# Altium PCB Powerbank.PcbDoc (part 1 of 2) (continued)
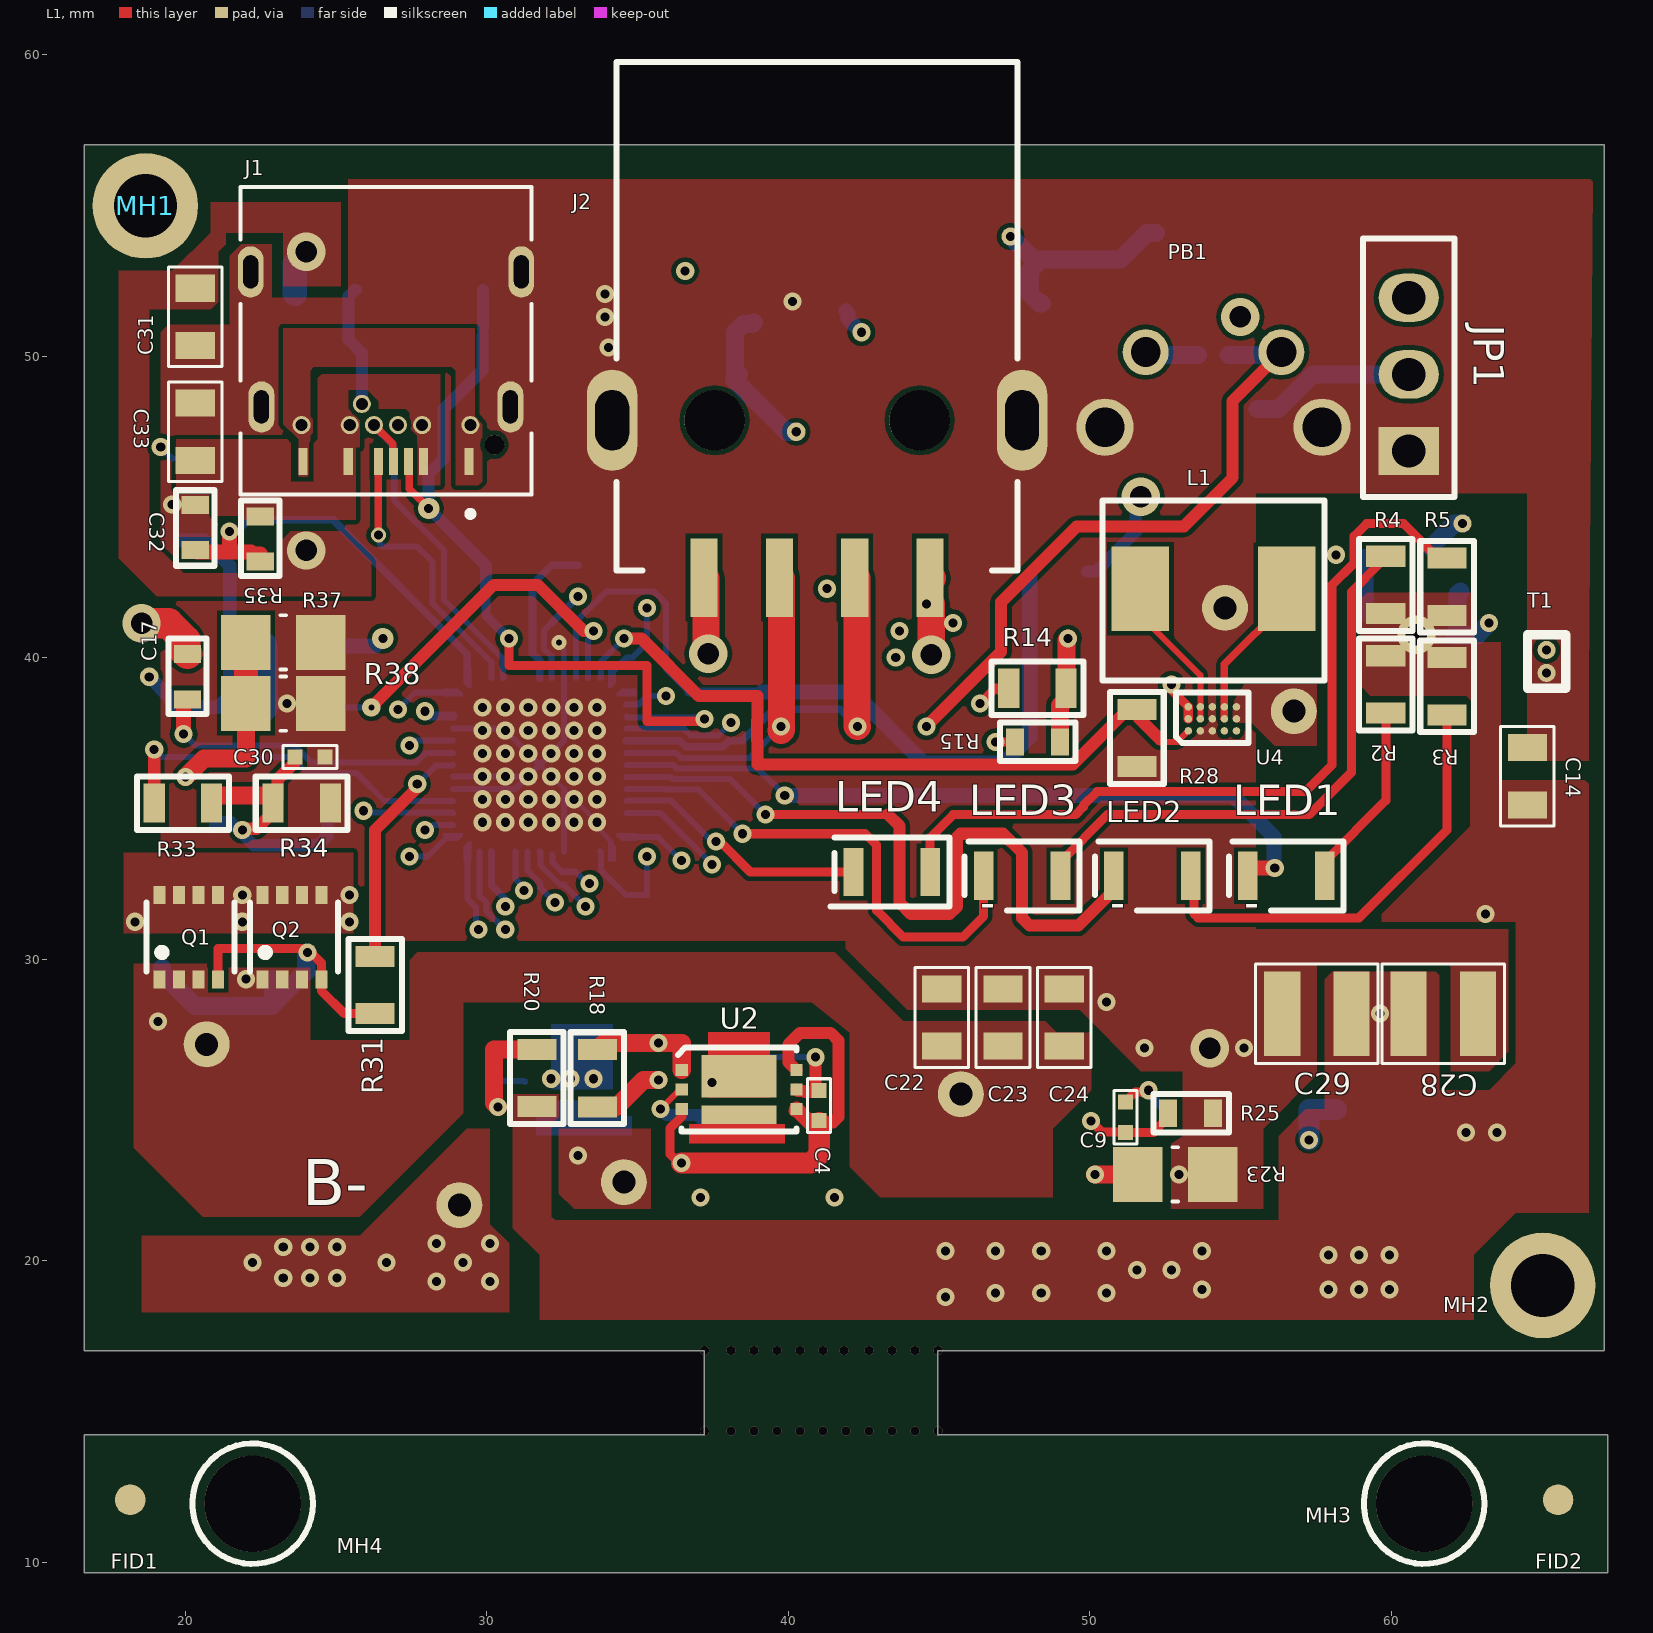
[diagram p0: L1 view]
## Design rules (kind name [scope] priority, off if disabled: settings)
Clearance [All] p1: gap=0.15 ignorepadtopadclearanceinfootprint=FALSE except(0: Arc-Hole Track-Hole SMDPad-Text SMDPad-Hole THPad-Text THPad-Hole Via-Text Via-Hole Fill-Text Fill-Hole Poly-Text Poly-Hole Region-Text Region-Hole Text-Text Text-Hole; 0.08: Arc-THPad Track-THPad SMDPad-SMDPad THPad-THPad; 0.1: Arc-SMDPad Track-SMDPad)
Height [All] p1: minheight=0 maxheight=60 prefheight=12.7
HoleSize [All] p1: absolutevalues=TRUE maxlimit=5 minlimit=0.025 maxpercent=80.000 minpercent=20.000
MinimumSolderMaskSliver [All] p1: minsoldermaskwidth=0.05
PlaneConnect [All] p1: planeconnectstyle=Direct reliefexpansion=0.508 reliefentries=4 reliefconductorwidth=0.254 reliefairgap=0.254
PolygonConnect [All] p1: connectstyle=Direct reliefconductorwidth=0.254 reliefentries=4 polygonreliefangle="90 Angle" airgapwidth=0.254
RoutingVias [All] p1: holewidth=0.711 width=1.27 viastyle="Through Hole" minholewidth=0.711 minwidth=1.27 maxholewidth=0.711 maxwidth=1.27
SilkToSilkClearance [All] p1: silktosilkclearance=0.08
SilkToSolderMaskClearance [IsPad] p1: minsilkscreentomaskgap=0.02 clearancetoexposedcopper=TRUE
SolderMaskExpansion [All] p1: expansion=0.05
Width [All] p1: maxlimit=10 minlimit=0.15 preferedwidth=0.254 midlayer1_minwidth=0.254 midlayer1_maxwidth=5 midlayer2_minwidth=0.254 midlayer2_maxwidth=5 minimp=50.000000 maximp=50.000000 favimp=50.000000
24 further rules are at their usual default settings.

## Components (designator, comment, footprint, x,y, rotation, side; value= is the part's Value field where it differs from the comment)
B+ "SMD PAD" "SMD PAD" 61.849,22.098 r0 top
B- "SMD PAD" "SMD PAD" 26.543,24.892 r0 top
C1 "1uF" R0603 33.02,43.815 r270 bottom
C2 "1000pF" C0402 54.094,50.038 r180 bottom
C3 "1uF" R0603 62.103,39.993 r90 bottom
C4 "100nF" C0402 41.021,25.146 r90 top
C5 "390pF" R0603 26.162,50.546 r180 bottom
C6 "390pF" R0603 30.607,50.673 r180 bottom
C7 "1uF" R0603 56.134,25.019 r0 bottom
C8 "100nF" C0402 30.361,26.487 r270 bottom
C9 "100nF" C0402 51.189,24.757 r90 top
C10 "100nF" C0402 34.925,52.959 r0 bottom
C11 "22uF 16V 0805" "CAP 0805" 54.102,53.848 r270 bottom
C12 "22uF 16V 0805" "CAP 0805" 56.007,53.721 r270 bottom
C13 "22uF 16V 0805 x3" "CAP 0805" 57.912,53.787 r270 bottom
C14 "10u" "CAP 0805" 64.516,36.068 r270 top
C15 "1000pF" C0402 38.862,49.403 r180 bottom
C16 "22000pF" C0402 38.87,54.864 r180 bottom
C17 "1uF" R0603 20.066,39.37 r90 top
C18 "1uF" R0603 43.18,28.194 r270 bottom
C19 "22uF 16V 0805" "CAP 0805" 49.149,28.067 r270 bottom
C20 "22uF 16V 0805" "CAP 0805" 47.117,28.067 r270 bottom
C21 "22uF 16V 0805" "CAP 0805" 45.085,28.067 r270 bottom
C22 "22uF 16V 0805" "CAP 0805" 45.085,28.067 r270 top
C23 "22uF 16V 0805" "CAP 0805" 47.117,28.067 r270 top
C24 "22uF 16V 0805" "CAP 0805" 49.149,28.067 r270 top
C25 "1pF 16V" C0402 22.898,29.845 r90 bottom
C26 "100nF" "CAP 0805" 45.024,49.784 r180 bottom
C27 "22uF 16V 0805" "CAP 0805" 46.101,54.991 r90 bottom
C28 "47uFx2" C1210 61.722,28.194 r180 top
C29 "47uF 16V" C1210 57.531,28.194 r0 top
C30 "1pF 16V" C0402 24.13,36.703 r180 top
C31 "22uF" "CAP 0805" 20.32,51.308 r90 top
C32 "1uF" R0603 20.32,44.323 r270 top
C33 "100nF" "CAP 0805" 20.32,47.498 r270 top
D1 "common cathode Schottkey" "3PINS SCHOTTKEY" 61.341,42.926 r180 bottom
D2 "zener SOD532 5.1V 10mA" "ZENER SOD532" 26.314,52.197 r0 bottom
D3 "zener SOD532 5.1V 10mA" "ZENER SOD532" 29.21,52.197 r180 bottom
D4 "BAT54HT1G" "DIODE SFMNTD" 59.055,40.259 r270 bottom
FID1 "FID 1mm" FID 18.161,12.065 r0 top
FID2 "FID 1mm" FID 65.532,12.065 r90 top locked
FID3 "FID 1mm" FID 18.161,12.065 r90 bottom
FID4 "FID 1mm" FID 65.532,12.065 r90 bottom
J1 "10137061-00021LF" PCBCOMPONENT_1 26.648,49.657 r180 top
J2 "USB A SMD" 692122030100 40.952,51.329 r180 top
JP1 "Prog.Port" "HDR MALE 1X3" 60.579,46.863 r180 top
L1 "470nH 12A" "INDUCTOR 470NH" 54.102,42.291 r0 top
L2 "Ferrite bead 30Ohm" R0805 44.069,52.451 r90 bottom
L3 "4.6uH Power inductor" "INDUCTOR MOUSER" 56.886,32.131 r0 bottom
L4 "Ferrite bead 30Ohm" R0805 23.622,51.054 r90 bottom
LED1 "RED SMD" "ORNG LED SMD 1206" 56.515,32.766 r0 top
LED2 "RED SMD" "ORNG LED SMD 1206" 52.07,32.766 r0 top
LED3 "RED SMD" "ORNG LED SMD 1206" 47.752,32.766 r0 top
LED4 "GRN SMD" "GRN SMD LED" 43.434,32.893 r0 top
MH1 "Mount holes" MH 18.669,54.991 r180 top
MH2 "Mount holes" MH 65.024,19.177 r0 top
MH3 "MH. not plated" "MH. not plated" 61.087,11.938 r0 top
MH4 "MH. not plated" "MH. not plated" 22.225,11.938 r0 top
PB1 "FSMRA4JH04" "PB RIGHT ANGLE THROUGH HOLE" 54.102,48.895 r180 top
Q1 "P channel mosfet" ECH8310-TL-H 20.104,30.734 r0 top
Q2 "P channel mosfet" ECH8310-TL-H 23.533,30.734 r0 top
Q3 "P channel mosfet" ECH8310-TL-H 49.53,53.086 r180 bottom
Q4 "N channel mosfet" "POWER MOSFET ON SEMI" 20.009,33.02 r180 bottom
Q5 "N channel mosfet" "POWER MOSFET ON SEMI" 23.745,33.02 r180 bottom
Q6 "P channel mosfet" ECH8310-TL-H 21.209,42.926 r90 bottom
R1 "100K" R0805 54.61,48.26 r180 bottom
R2 "330" R0805 59.817,39.116 r90 top
R3 "330" R0805 61.849,39.055 r90 top
R4 "330" R0805 59.817,42.418 r270 top
R5 "330" R0805 61.849,42.357 r270 top
R6 "100K" R0805 47.879,43.815 r90 bottom
R7 "51k" R0805 49.911,43.815 r90 bottom
R8 "51k" R0805 23.495,38.354 r0 bottom
R9 "51k" R0805 23.495,40.386 r0 bottom
R10 "100Ohm" R0603 20.171,47.244 r270 bottom
R11 "1k ohm" R0805 37.084,25.781 r90 bottom
R12 "20mOhm" R1206 20.171,51.054 r90 bottom
R13 "680Ohm" R0805 39.306,25.654 r270 bottom
R14 "10k ohm" R0805 48.26,38.989 r0 top
R15 "100Ohm" R0603 48.26,37.211 r0 top
R16 "100Ohm" R0603 58.928,25.019 r0 bottom
R17 "100Ohm" R0603 40.005,44.577 r0 bottom
R18 "1k ohm" R0805 33.663,26.053 r90 top
R19 "20mOhm" R1206 35.941,44.577 r180 bottom
R20 "680Ohm" R0805 31.655,26.061 r270 top
R21 "100Ohm" R0603 53.352,24.765 r0 bottom
R22 "10mOhm" R1206 52.832,22.86 r180 bottom
R23 "10mOhm" R1206 52.832,22.86 r180 top
R24 "910k 1%" R0805 41.91,50.546 r270 bottom
R25 "100Ohm" R0603 53.34,24.892 r0 top
R26 "180k 1%" R0805 35.179,50.927 r0 bottom
R27 "2.2k" R0805 38.862,52.07 r90 bottom
R28 "51k" R0805 51.562,37.338 r90 top
R29 "150k" R0805 58.166,43.307 r180 bottom
R30 "100K" R0805 20.17,29.845 r180 bottom
R31 "0 R" R0805 26.289,29.144 r270 top
R32 "510k" R0805 52.07,53.213 r270 bottom
R33 "0 R" R0805 19.911,35.179 r0 top
R34 "100K" R0805 23.853,35.179 r180 top
R35 "100Ohm" R0603 22.479,43.942 r90 top
R36 "510k" R0805 20.066,39.309 r90 bottom
R37 "10mOhm" R1206 23.241,40.513 r180 top
R38 "10mOhm" R1206 23.241,38.481 r180 top
T1 "10K NTC thermistor" THERMISTOR 65.151,39.878 r90 top
U1 "LC709511FQD-A00TWG" QUAD52 31.75,36.449 r270 bottom
U2 "LC05111C02MTTTG" LC05111C02MTTTGOSCT 38.362,25.677 r270 top
U3 "LC05111C02MTTTG" LC05111C02MTTTGOSCT 33.155,25.936 r270 bottom
U4 "2nd boost ic" BGA3X5 54.064,37.973 r90 top

## Footprints (in the part's own frame and the unit in brackets; to place one, negate y for a bottom-side part, rotate by r counter-clockwise, add the part's x,y. Pads: shape width x height; smd on the part's side, far side on the other; paste and mask are expansions set on the pad)
"3PINS SCHOTTKEY" [mm]
  rect 0.8x0.9 smd: 1(-0.95,-0.725) 2(0.95,-0.725) 3(0,0.725)
  silkscreen extent -1.4,-0.64 1.4,0.76, body extent -1.46,-1.18 1.46,1.19, height 1.11
692122030100 [mm]
  rect 0.9x2.6 smd: 1(-3.75,8.67) 2(-1.25,8.67) 3(1.25,8.67) 4(3.75,8.67)
  oval 1.68x3.36 hole 1.12 slot 2 at 90 deg: S1(6.8,3.45) S2(-6.8,3.45)
  round 2 hole 2 unplated: ""(-3.4,3.45) ""(3.4,3.45)
  silkscreen extent -6.65,-8.43 6.65,8.43, body extent -7.68,-8.21 7.42,9.59, height 7.96
BGA3X5 [mm]
  round 0.25 smd mask+0.015: AGND(-0.4,0) EN(-0.4,0.8) GND(0,0) GND(0.4,0) LX1(0,0.4) LX1(0.4,0.4) LX2(0,-0.4) LX2(0.4,-0.4) SCL(-0.4,-0.4) SDA(-0.4,-0.8) VIN(0,0.8) VIN(0.4,0.8) VOUT(0,-0.8) VOUT(0.4,-0.8) VSEL(-0.4,0.4)
  silkscreen extent -0.8,-1.2 0.87,1.2, body extent -0.67,-1.13 0.67,1.13, height 0.54
C0402 [mm]
  rect 0.5x0.5 smd: 1(-0.5,0) 2(0.5,0)
  silkscreen extent -0.89,-0.38 0.89,0.38, body extent -0.5,-0.25 0.5,0.25, height 0.47
C1210 [mm]
  rect 1.2x2.8 smd: 1(-1.15,0) 2(1.15,0)
  silkscreen extent -2.03,-1.65 2.03,1.65, body extent -1.6,-1.25 1.6,1.25, height 0.94
"CAP 0805" [mm]
  rect 0.9x1.3 smd: 1(-0.95,0) 2(0.95,0)
  silkscreen extent -1.65,-0.89 1.65,0.89, body extent -1,-0.6 1,0.6, height 1.53
"DIODE SFMNTD" [mil]
  rect 22x27 smd: 1(-48,0) 2(48,0)
  silkscreen extent -75,-28 75,28, body extent -51,-27 51,27, height 43
ECH8310-TL-H [mm]
  rect 0.4x0.6 smd: D(-0.975,1.4) D(-0.325,1.4) D(0.325,1.4) D(0.975,1.4) G(0.975,-1.4) S(-0.975,-1.4) S(-0.325,-1.4) S(0.325,-1.4)
  silkscreen extent -1.4,-1.14 1.52,1.14, body extent -1.45,-1.4 1.45,1.4, height 0.95
FID [mil]
  round 40 smd paste-1574.8 mask+40: 1(0,0)
"GRN SMD LED" [mm]
  rect 0.65x1.6 smd: 1(-1.275,0) 2(1.275,0)
  silkscreen extent -2.03,-1.14 1.91,1.14, body extent -1.6,-0.8 1.6,0.8, height 1.1
"HDR MALE 1X3" [mm]
  rect 2x1.6 hole 1.1: 1(0,0)
  oval 2x1.6 hole 1.1: 2(0,-2.54) 3(0,-5.08)
  silkscreen extent -1.52,-7.04 1.52,1.52, body extent -1.21,-6.15 1.2,1.07, height 8.1
"INDUCTOR 470NH" [mm]
  rect 1.905x2.79 smd: 1(-2.425,0) 2(2.426,0)
  silkscreen extent -3.68,-3.05 3.68,2.92, body extent -3.25,-3 3.25,3, height 3
"INDUCTOR MOUSER" [mm]
  rect 2.2x5.2 smd: 1(-3.8,0) 2(3.8,0)
  silkscreen extent -6,-6 6,6, body extent -6,-6 6,6, height 7.42
LC05111C02MTTTGOSCT [mm]
  rect 0.4x0.4 smd: 1(-0.65,-1.9) 2(0,-1.9) 3(0.65,-1.9) 4(0.65,1.9) 5(0,1.9) 6(-0.65,1.9)
  rect 1.415x2.5 smd: 7(-0.437,0)
  rect 0.615x2.5 smd mask+0.09: 8(0.837,0)
  L1 region: 0.127,1.016 -1.905,1.016 -1.905,-1.016 0.254,-1.016 0.254,1.016
  L1 region: 0.635,1.143 1.143,1.143 1.143,1.524 1.778,1.524 1.778,-1.651 1.143,-1.651 1.143,-1.143 0.635,-1.143
  silkscreen extent -1.4,-2.03 1.4,1.91, body extent -1.3,-1.9 1.3,1.9, height 0.9
MH [mm]
  round 3.5 hole 2.1: 1(0,0)
  body extent -1.69,-1.65 1.65,1.65, height 3.04
"MH. not plated" [mm]
  round 3.2 hole 3.2 unplated: 1(0,0)
  silkscreen extent -2,-2 2,2
"ORNG LED SMD 1206" [mm]
  rect 0.65x1.6 smd: 1(-1.275,0) 2(1.275,0)
  silkscreen extent -1.91,-1.14 1.91,1.14, body extent -1.6,-0.8 1.6,0.8, height 1.1
"PB RIGHT ANGLE THROUGH HOLE" [mm]
  round 1.524 hole 0.99: 1(-2.25,-1.245) 2(2.25,-1.245)
  round 1.9 hole 1.3: 3(3.6,1.245) 4(-3.6,1.245)
  body extent -4.2,-9.6 4.21,2.76, height 7.06
PCBCOMPONENT_1 [mm]
  rect 0.3x0.9 smd: A1(-2.75,3.145) A4(-1.25,3.145) A5(-0.75,3.145) A6(-0.25,3.145) A7(0.25,3.145) A9(1.25,3.145) A12(2.75,3.145)
  round 0.6 hole 0.4: B1(2.8,1.935) B4(1.2,1.935) B5(0.8,1.235) B6(0.4,1.935) B7(-0.4,1.935) B9(-1.2,1.935) B12(-2.8,1.935)
  oval 0.85x1.7 hole 0.5 slot 1.1 at 90 deg: S1(-4.13,1.335) S2(4.13,1.335) S3(-4.49,-3.145) S4(4.49,-3.145)
  round 0.65 hole 0.65 unplated: ""(-3.6,2.585)
  silkscreen extent -4.82,-5.96 4.83,4.98, body extent -4.82,-5.95 4.83,4.25, height 3.17
"POWER MOSFET ON SEMI" [mm]
  rect 0.545x0.57 smd: D(-1.45,0) D(1.45,0)
  rect 0.42x0.47 smd: D(-0.975,-1.47) D(-0.325,-1.47) D(0.325,-1.47) D(0.975,-1.47)
  rect 2.37x1.83 smd: D(0,-0.55)
  rect 0.42x0.66 smd: G(-0.975,1.47) S(-0.325,1.47) S(0.325,1.47) S(0.975,1.47)
  body extent -1.65,-1.65 1.65,1.65, height 1.04
QUAD52 [mm]
  rect 0.2x0.1 smd paste+0 mask+0.05: 1(-2.875,2.4)
  rect 0.65x0.25 smd mask+0.05: 2(-2.875,2) 3(-2.875,1.6) 4(-2.875,1.2) 5(-2.875,0.8) 6(-2.875,0.4) 7(-2.875,0) 8(-2.875,-0.4) 9(-2.875,-0.8) 10(-2.875,-1.2) 11(-2.875,-1.6) 12(-2.875,-2) 28(2.875,-2) 29(2.875,-1.6) 30(2.875,-1.2) 31(2.875,-0.8) 32(2.875,-0.4) 33(2.875,0) 34(2.875,0.4) 35(2.875,0.8) 36(2.875,1.2) 37(2.875,1.6) 38(2.875,2)
  rect 0.1x0.1 smd paste+0 mask+0.05: 13(-2.875,-2.4) 14(-2.4,-2.875) 39(2.875,2.4) 40(2.4,2.875)
  rect 0.25x0.65 smd mask+0.05: 15(-2,-2.875) 16(-1.6,-2.875) 17(-1.2,-2.875) 18(-0.8,-2.875) 19(-0.4,-2.875) 20(0,-2.875) 21(0.4,-2.875) 22(0.8,-2.875) 23(1.2,-2.875) 24(1.6,-2.875) 25(2,-2.875) 41(2,2.875) 42(1.6,2.875) 43(1.2,2.875) 44(0.8,2.875) 45(0.4,2.875) 46(0,2.875) 47(-0.4,2.875) 48(-0.8,2.875) 49(-1.2,2.875) 50(-1.6,2.875) 51(-2,2.875)
  rect 0.1x0.4 smd paste+0 mask+0.05: 26(2.4,-2.875)
  rect 0.4x0.1 smd paste+0 mask+0.05: 27(2.875,-2.4)
  rect 0.1x0.2 smd paste+0 mask+0.05: 52(-2.4,2.875)
  rect 4.572x4.572 smd mask+0.05: 53(0,0)
  L1 region: -3.2,-2.275 -2.55,-2.275 -2.55,-2.385 -2.715,-2.525 -3.2,-2.525
  L1 region: 2.275,-3.2 2.275,-2.55 2.385,-2.55 2.525,-2.715 2.525,-3.2
  L1 region: 3.2,-2.275 2.55,-2.275 2.55,-2.385 2.715,-2.525 3.2,-2.525
  L1 region: 3.2,2.275 2.55,2.275 2.55,2.385 2.715,2.525 3.2,2.525
  L1 region: 2.275,3.2 2.275,2.55 2.385,2.55 2.525,2.715 2.525,3.2
  L1 region: -2.275,3.2 -2.275,2.55 -2.385,2.55 -2.525,2.715 -2.525,3.2
  L1 region: -3.2,2.275 -2.55,2.275 -2.55,2.385 -2.715,2.525 -3.2,2.525
  L1 pour cut-out: 2.667,2.54
  L1 pour cut-out: 2.667,2.54
  L1 region: -2.275,-3.2 -2.275,-2.55 -2.385,-2.55 -2.525,-2.715 -2.525,-3.2
  silkscreen extent -3.43,-3.43 3.43,3.43, body extent -3.05,-3.05 3.05,3.05, height 1
R0603 [mm]
  rect 0.6x0.9 smd: 1(-0.75,0) 2(0.75,0)
  silkscreen extent -1.24,-0.64 1.27,0.64, body extent -0.8,-0.4 0.8,0.44, height 0.8
R0805 [mm]
  rect 0.7x1.3 smd: 1(-0.95,0) 2(0.95,0)
  silkscreen extent -1.52,-0.89 1.52,0.89, body extent -1,-0.6 1,0.6, height 0.7
R1206 [mm]
  rect 1.64x1.82 smd: 1(-1.24,0) 2(1.24,0)
  silkscreen extent -0.1,-0.9 0.1,0.9, body extent -1.6,-0.8 1.6,0.8, height 0.75
"SMD PAD" [mm]
  rect 3x3 smd far side: 1(0,0)
THERMISTOR [mm]
  round 0.6 hole 0.3 mask+0.102: 1(-0.381,0) 2(0.381,0)
  silkscreen extent -0.89,-0.64 0.89,0.64, body extent -0.79,-0.8 0.79,0.8, height 40
"ZENER SOD532" [mm]
  rect 0.48x0.4 smd: 1(-0.66,0) 2(0.66,0)
  silkscreen extent -1.29,-0.64 1.27,0.64, body extent -0.8,-0.4 0.8,0.4, height 0.7

## Part data
C1 C3 C7 C17 C18 C32: library part "1uF cap", "Cap Ceramic 1uF 16V Y5V -20% to 80% SMD 0603 85C T/R", Case/Package=0603, Case Code (Metric)=1608, Dielectric=Y5V, Manufacturer 1=Yageo, Manufacturer Part Number 1=CC0603ZRY5V7BB105, Max Operating Temperature=85°C, Min Operating Temperature=-30°C, Package Quantity=1, Supplier Part Number 1=311-1372-1-ND, Tolerance=80%, Voltage Rating=16V, Capacitance=1uF, Case Code (Imperial)=0603, ComponentLink1Description=https://datasheet.ciiva.com/26936/getdatasheetpartid-782716-26936063.pdf?src-supplier=Verical, ComponentLink1URL=https://datasheet.ciiva.com/26936/getdatasheetpartid-782716-26936063.pdf?src-supplier=Verical, ComponentLink2Description=https://datasheet.ciiva.com/144/mlccorderingcode-144385.pdf?src-supplier=Digi-Key, ComponentLink2URL=https://datasheet.ciiva.com/144/mlccorderingcode-144385.pdf?src-supplier=Digi-Key, ComponentLink3Description=https://datasheet.ciiva.com/144/mlccorderingcode-144386.pdf?src-supplier=Digi-Key, ComponentLink3URL=https://datasheet.ciiva.com/144/mlccorderingcode-144386.pdf?src-supplier=Digi-Key, ComponentLink4Description=https://datasheet.ciiva.com/144/mlccorderingcode-144387.pdf?src-supplier=Digi-Key, ComponentLink4URL=https://datasheet.ciiva.com/144/mlccorderingcode-144387.pdf?src-supplier=Digi-Key, ComponentLink5Description=https://datasheet.ciiva.com/7978/1132289-7978188.pdf?src-supplier=Element14, ComponentLink5URL=https://datasheet.ciiva.com/7978/1132289-7978188.pdf?src-supplier=Element14, ComponentLink6Description=https://datasheet.ciiva.com/11587/upy-gphc-y5v-6-3v-to-50v-5-11587228.pdf?src-supplier=Avnet, ComponentLink6URL=https://datasheet.ciiva.com/11587/upy-gphc-y5v-6-3v-to-50v-5-11587228.pdf?src-supplier=Avnet, ComponentLink7Description=https://datasheet.ciiva.com/5425/upy-gphc-y5v-6-3v-to-50v-5-5425454.pdf?src-supplier=Mouser, ComponentLink7URL=https://datasheet.ciiva.com/5425/upy-gphc-y5v-6-3v-to-50v-5-5425454.pdf?src-supplier=Mouser, ComponentLink8Description=https://datasheet.ciiva.com/16623/upy-gphc-y5v-6-3v-to-50v-5-16623902.pdf?src-supplier=Avnet+Europe, ComponentLink8URL=https://datasheet.ciiva.com/16623/upy-gphc-y5v-6-3v-to-50v-5-16623902.pdf?src-supplier=Avnet+Europe, Composition=Ceramic, Depth=0.8mm, Dissipation Factor=12.5%, Halogen Free="Halogen Free", Height=0.8mm, Lead Free="Lead Free", Length=1.6mm, Mount="Surface Mount", Packaging="Tape and Reel", Pricing 1="1=0.10000, 10=0.07600, 50=0.04160, 100=0.03400, 500=0.02426, 1000=0.01906 (USD)", Radiation Hardening=No, REACH SVHC=Unknown, RoHS=Yes, Stock 1=1011162, Supplier 1=Digi-Key, Termination=SMD/SMT, Thickness=0.035inch, Voltage Rating (DC)=16V, Width=0.031inch
C2 C15: library part "1000pF cap", "Cap Ceramic 0.001uF 16V X7R 10% Pad SMD 0402 125C T/R", Capacitance=1nF, Case/Package=0402, Case Code (Metric)=1005, Dielectric=X7R, Manufacturer 1=Yageo, Manufacturer Part Number 1=CC0402KRX7R7BB102, Max Operating Temperature=125°C, Min Operating Temperature=-55°C, Package Quantity=1, Supplier Part Number 1=311-1352-6-ND, Tolerance=10%, Voltage Rating=16V, Case Code (Imperial)=0402, ComponentLink1Description=https://datasheet.ciiva.com/143/mlccorderingcode-143963.pdf?src-supplier=Digi-Key, ComponentLink1URL=https://datasheet.ciiva.com/143/mlccorderingcode-143963.pdf?src-supplier=Digi-Key, ComponentLink2Description=https://datasheet.ciiva.com/26862/getdatasheetpartid-698313-26862635.pdf?src-supplier=Verical, ComponentLink2URL=https://datasheet.ciiva.com/26862/getdatasheetpartid-698313-26862635.pdf?src-supplier=Verical, ComponentLink3Description=https://datasheet.ciiva.com/143/mlccorderingcode-143964.pdf?src-supplier=Digi-Key, ComponentLink3URL=https://datasheet.ciiva.com/143/mlccorderingcode-143964.pdf?src-supplier=Digi-Key, ComponentLink4Description=https://datasheet.ciiva.com/17437/upy-gphc-x7r-6-3v-to-50v-8-17437337.pdf?src-supplier=Avnet+Europe, ComponentLink4URL=https://datasheet.ciiva.com/17437/upy-gphc-x7r-6-3v-to-50v-8-17437337.pdf?src-supplier=Avnet+Europe, ComponentLink5Description=https://datasheet.ciiva.com/143/mlccorderingcode-143962.pdf?src-supplier=Digi-Key, ComponentLink5URL=https://datasheet.ciiva.com/143/mlccorderingcode-143962.pdf?src-supplier=Digi-Key, ComponentLink6Description=https://datasheet.ciiva.com/7978/1489800-7978107.pdf?src-supplier=Element14, ComponentLink6URL=https://datasheet.ciiva.com/7978/1489800-7978107.pdf?src-supplier=Element14, ComponentLink7Description=https://datasheet.ciiva.com/11464/upy-gphc-x7r-6-3v-to-50v-8-11464876.pdf?src-supplier=Avnet, ComponentLink7URL=https://datasheet.ciiva.com/11464/upy-gphc-x7r-6-3v-to-50v-8-11464876.pdf?src-supplier=Avnet, Composition=Ceramic, Depth=0.5mm, Halogen Free="Halogen Free", Height=0.5mm, Lead Free="Lead Free", Length=1mm, Mount="Surface Mount", Packaging="Tape and Reel", Pricing 1="1=0.10000, 10=0.02000, 50=0.01120, 100=0.00910, 500=0.00650, 1000=0.00511, 2500=0.00465, 5000=0.00428 (USD)", Radiation Hardening=No, REACH SVHC="No SVHC", RoHS=Yes, Stock 1=549923, Supplier 1=Digi-Key, Termination=SMD/SMT, Thickness=0.022inch, Voltage Rating (DC)=16V, Width=0.5mm
C4 C8 C9 C10: library part "0.1uF cap", "Cap Ceramic 0.1uF 16V X7R 10% SMD 0402 125C Paper T/R", Case/Package=0402, Case Code (Metric)=1005, Dielectric=X7R, Manufacturer 1=Yageo, Manufacturer Part Number 1=CC0402KPX7R7BB104, Max Operating Temperature=125°C, Min Operating Temperature=-55°C, Supplier Part Number 1=311-3559-1-ND, Tolerance=10%, Voltage Rating=16V, Capacitance=100nF, Case Code (Imperial)=0402, ComponentLink1Description=https://datasheet.ciiva.com/13207/upy-gphc-x7r-6-3v-to-50v-8-12304-13207933.pdf?src-supplier=Mouser, ComponentLink1URL=https://datasheet.ciiva.com/13207/upy-gphc-x7r-6-3v-to-50v-8-12304-13207933.pdf?src-supplier=Mouser, Composition=Ceramic, Depth=0.5mm, Halogen Free="Halogen Free", Lead Free="Lead Free", Length=0.039inch, Mount="Surface Mount", Packaging="Tape and Reel", Pricing 1="1=0.10000, 10=0.03200, 50=0.01760, 100=0.01430, 500=0.01024, 1000=0.00805, 2500=0.00732, 5000=0.00673 (USD)", RoHS=Yes, Stock 1=61577, Supplier 1=Digi-Key, Termination=SMD/SMT, Thickness=0.022inch, Voltage Rating (DC)=16V, Weight=2.3E-05oz, Width=0.02inch
C5 C6: library part "390pF smd cap", "Cap Ceramic 390pF 16V X7R 10% SMD 0201 125C Paper T/R", Case/Package=0201, Case Code (Metric)=0603, Dielectric=X7R, Manufacturer 1="Kyocera AVX", Manufacturer Part Number 1=0201YC391KAT2A, Max Operating Temperature=125°C, Min Operating Temperature=-55°C, Package Quantity=1, Supplier Part Number 1=478-1034-1-ND, Tolerance=10%, Voltage Rating=16V, Capacitance=390pF, Case Code (Imperial)=0201, ComponentLink1Description=https://datasheet.ciiva.com/152/cx7r-152454.pdf?src-supplier=Digi-Key, ComponentLink1URL=https://datasheet.ciiva.com/152/cx7r-152454.pdf?src-supplier=Digi-Key, ComponentLink2Description=https://datasheet.ciiva.com/152/cx7r-152455.pdf?src-supplier=Digi-Key, ComponentLink2URL=https://datasheet.ciiva.com/152/cx7r-152455.pdf?src-supplier=Digi-Key, ComponentLink3Description=https://datasheet.ciiva.com/152/cx7r-152456.pdf?src-supplier=Digi-Key, ComponentLink3URL=https://datasheet.ciiva.com/152/cx7r-152456.pdf?src-supplier=Digi-Key, Depth=0.3mm, Lead Free="Lead Free", Length=0.6mm, Mount="Surface Mount", Number of Pins=2, Packaging="Tape and Reel", Pricing 1="1=0.39000, 10=0.27200, 50=0.19060, 100=0.16340, 500=0.12252, 1000=0.10346, 2500=0.09801, 5000=0.09257 (USD)", Radiation Hardening=No, REACH SVHC=Unknown, RoHS=Yes, Stock 1=15630, Supplier 1=Digi-Key, Termination=SMD/SMT, Thickness=0.013inch, Voltage Rating (DC)=16V, Width=0.3mm
C11 C12 C13 C19 C20 C21 C22 C23 C24 C27 C31: library part GRM21BR61C226ME44L, "Cap Ceramic 22uF 16V X5R 20% Pad SMD 0805 85C T/R"
C14: library part C2012X5R1C106M125AC, "CAP CER 10UF 16V X5R 0805", Capacitance=10uF, Case/Package=0805, Case Code (Metric)=2012, Dielectric=X5R, Dielectric Material=Ceramic, Manufacturer 1=TDK, Max Operating Temperature=85°C, Min Operating Temperature=-55°C, Package Quantity=1, Supplier Part Number 1=2525134, Tolerance=20%, Voltage Rating=16V, Case Code (Imperial)=0805, ComponentLink1Description=https://datasheet.ciiva.com/6289/tdkmlcccaprange-6289238.pdf?src-supplier=Digi-Key, ComponentLink1URL=https://datasheet.ciiva.com/6289/tdkmlcccaprange-6289238.pdf?src-supplier=Digi-Key, ComponentLink2Description=https://datasheet.ciiva.com/22725/1913358-22725558.pdf?src-supplier=Element14, ComponentLink2URL=https://datasheet.ciiva.com/22725/1913358-22725558.pdf?src-supplier=Element14, ComponentLink3Description=https://datasheet.ciiva.com/6252/tdkmlcccaprange-6252105.pdf?src-supplier=Digi-Key, ComponentLink3URL=https://datasheet.ciiva.com/6252/tdkmlcccaprange-6252105.pdf?src-supplier=Digi-Key, ComponentLink4Description=https://datasheet.ciiva.com/6252/tdkmlcccaprange-6252108.pdf?src-supplier=Digi-Key, ComponentLink4URL=https://datasheet.ciiva.com/6252/tdkmlcccaprange-6252108.pdf?src-supplier=Digi-Key, ComponentLink5Description=https://datasheet.ciiva.com/23803/1796654-23803022.pdf?src-supplier=Newark, ComponentLink5URL=https://datasheet.ciiva.com/23803/1796654-23803022.pdf?src-supplier=Newark, Composition=Ceramic, Depth=1.25mm, Height=1.25mm, Lead Free="Lead Free", Length=2mm, Manufacturer Part Number 1=C2012X5R1C106M125AC, Mount="Surface Mount", Number of Pins=2, Packaging="Tape and Reel", Pricing 1="5=0.27200, 50=0.09480, 250=0.08030, 500=0.07090, 1000=0.06220, 2000=0.04880, 10000=0.04830, 20000=0.04180 (GBP)", REACH SVHC="No SVHC", RoHS=Yes, Stock 1=0, Supplier 1=Farnell, Termination=SMD/SMT, Thickness=0.057inch, Voltage Rating (DC)=16V, Weight=0.000194oz, Width=0.049inch
C16: library part "22000pF cap", "YAGEO - CC0402KRX7R7BB223 - SMD Multilayer Ceramic Capacitor, 22000 pF, 16 V, 0402 [1005 Metric], ± 10%, X7R, CC Series", Capacitance=22nF, Case/Package=0402, Case Code (Metric)=1005, Dielectric=X7R, Dielectric Material=Ceramic, Insulation Resistance=10GR, Manufacturer 1=Yageo, Manufacturer Part Number 1=CC0402KRX7R7BB223, Max Operating Temperature=125°C, Min Operating Temperature=-55°C, Package Quantity=1, Supplier Part Number 1=311-1378-1-ND, Tolerance=10%, Voltage Rating=16V, Case Code (Imperial)=0402, ComponentLink1Description=https://datasheet.ciiva.com/144/mlccorderingcode-144037.pdf?src-supplier=Digi-Key, ComponentLink1URL=https://datasheet.ciiva.com/144/mlccorderingcode-144037.pdf?src-supplier=Digi-Key, ComponentLink2Description=https://datasheet.ciiva.com/8033/1489800-8033669.pdf?src-supplier=Element14, ComponentLink2URL=https://datasheet.ciiva.com/8033/1489800-8033669.pdf?src-supplier=Element14, ComponentLink3Description=https://datasheet.ciiva.com/15189/getdatasheetpartid-321421-15189125.pdf?src-supplier=Verical, ComponentLink3URL=https://datasheet.ciiva.com/15189/getdatasheetpartid-321421-15189125.pdf?src-supplier=Verical, ComponentLink4Description=https://datasheet.ciiva.com/144/mlccorderingcode-144038.pdf?src-supplier=Digi-Key, ComponentLink4URL=https://datasheet.ciiva.com/144/mlccorderingcode-144038.pdf?src-supplier=Digi-Key, ComponentLink5Description=https://datasheet.ciiva.com/28450/1489800-28450342.pdf?src-supplier=Element14, ComponentLink5URL=https://datasheet.ciiva.com/28450/1489800-28450342.pdf?src-supplier=Element14, ComponentLink6Description=https://datasheet.ciiva.com/144/mlccorderingcode-144039.pdf?src-supplier=Digi-Key, ComponentLink6URL=https://datasheet.ciiva.com/144/mlccorderingcode-144039.pdf?src-supplier=Digi-Key, ComponentLink7Description=https://datasheet.ciiva.com/8033/1489800-8033671.pdf?src-supplier=Element14, ComponentLink7URL=https://datasheet.ciiva.com/8033/1489800-8033671.pdf?src-supplier=Element14, Composition=Ceramic, Depth=0.5mm, Dissipation Factor=3.5%, Halogen Free="Halogen Free", Height=0.5mm, Lead Free="Lead Free", Length=1mm, Mount="Surface Mount", Number of Pins=2, Packaging="Tape and Reel", Pricing 1="1=0.10000, 10=0.03000, 50=0.01620, 100=0.01320, 500=0.00940, 1000=0.00738, 2500=0.00671, 5000=0.00617 (USD)", Radiation Hardening=No, REACH SVHC="No SVHC", RoHS=Yes, Stock 1=283527, Supplier 1=Digi-Key, Termination=SMD/SMT, Thickness=0.022inch, Voltage Rating (DC)=16V, Width=0.5mm
C25 C30: library part "1pF 16V cap", "WURTH ELEKTRONIK - 885012005019 - CAP, 1PF, 16V, C0G/NP0, 0402", Capacitance=1pF, Case/Package=0402, Case Code (Metric)=1005, Manufacturer 1="Wurth Electronics", Manufacturer Part Number 1=885012005019, Max Operating Temperature=125°C, Min Operating Temperature=-55°C, Supplier Part Number 1=732-7435-1-ND, Voltage Rating=16V, Case Code (Imperial)=0402, ComponentLink1Description=http://www.farnell.com/datasheets/2546550.pdf?src-supplier=Farnell, ComponentLink1URL=http://www.farnell.com/datasheets/2546550.pdf?src-supplier=Farnell, ComponentLink2Description=https://katalog.we-online.de/pbs/datasheet/885012005019.pdf?src-supplier=Digi-Key, ComponentLink2URL=https://katalog.we-online.de/pbs/datasheet/885012005019.pdf?src-supplier=Digi-Key, ComponentLink3Description=http://katalog.we-online.de/pbs/datasheet/885012005019.pdf?src-supplier=Digi-Key, ComponentLink3URL=http://katalog.we-online.de/pbs/datasheet/885012005019.pdf?src-supplier=Digi-Key, Length=0.039inch, Mount="Surface Mount", Packaging="Tape and Reel", Pricing 1="1=0.10000, 10=0.01700, 100=0.01570, 500=0.01386 (USD)", RoHS=Yes, Stock 1=8704, Supplier 1=Digi-Key, Thickness=0.022inch, Width=0.02inch
C26 C33: library part C2012X7R1H104K085AA, "CAP CER 0.1UF 50V X7R 0805", Case/Package=0805, Case Code (Metric)=2012, Dielectric=X7R, Dielectric Material=Ceramic, Manufacturer 1=TDK, Max Operating Temperature=125°C, Min Operating Temperature=-55°C, Package Quantity=1, Supplier Part Number 1=445-7534-1-ND, Tolerance=10%, Voltage=50V, Capacitance=100nF, Case Code (Imperial)=0805, ComponentLink1Description=https://datasheet.ciiva.com/11788/0900766b80c1bb00-11788128.pdf?src-supplier=RSComponents, ComponentLink1URL=https://datasheet.ciiva.com/11788/0900766b80c1bb00-11788128.pdf?src-supplier=RSComponents, ComponentLink2Description=https://datasheet.ciiva.com/6250/tdkmlcccaprange-6250821.pdf?src-supplier=Digi-Key, ComponentLink2URL=https://datasheet.ciiva.com/6250/tdkmlcccaprange-6250821.pdf?src-supplier=Digi-Key, ComponentLink3Description=https://datasheet.ciiva.com/24191/e412-c-24191447.pdf?src-supplier=Future+Electronics, ComponentLink3URL=https://datasheet.ciiva.com/24191/e412-c-24191447.pdf?src-supplier=Future+Electronics, ComponentLink4Description=https://datasheet.ciiva.com/6250/tdkmlcccaprange-6250824.pdf?src-supplier=Digi-Key, ComponentLink4URL=https://datasheet.ciiva.com/6250/tdkmlcccaprange-6250824.pdf?src-supplier=Digi-Key, ComponentLink5Description=https://datasheet.ciiva.com/23803/1796654-23803035.pdf?src-supplier=Newark, ComponentLink5URL=https://datasheet.ciiva.com/23803/1796654-23803035.pdf?src-supplier=Newark, ComponentLink6Description=https://datasheet.ciiva.com/28602/1571323-28602204.pdf?src-supplier=Element14, ComponentLink6URL=https://datasheet.ciiva.com/28602/1571323-28602204.pdf?src-supplier=Element14, Composition=Ceramic, Depth=1.25mm, Height=0.85mm, Lead Free="Lead Free", Length=2mm, Manufacturer Part Number 1=C2012X7R1H104K085AA, Mount="Surface Mount", Number of Pins=2, Packaging="Tape and Reel", Pricing 1="1=0.17000, 10=0.11900, 100=0.05610, 500=0.03936, 1000=0.03258 (USD)", Radiation Hardening=No, REACH SVHC="No SVHC", RoHS=Yes, Stock 1=38824, Supplier 1=Digi-Key, Termination=SMD/SMT, Thickness=0.037inch, Voltage Rating=50V, Voltage Rating (DC)=50V, Weight=0.000194oz, Width=0.049inch
C28 C29: library part "47uF cap", "KEMET - C1210C476M4PACTU. - CAPACITOR CERAMIC 47UF, 16V, X5R, 1210", Capacitance=47uF, Case/Package=1210, Case Code (Metric)=3225, Dielectric=X5R, Dielectric Material=Ceramic, Manufacturer 1=KEMET, Manufacturer Part Number 1=C1210C476M4PACTU, Max Operating Temperature=85°C, Min Operating Temperature=-55°C, Package Quantity=1, Supplier Part Number 1=399-5514-1-ND, Tolerance=20%, Voltage=16V, Case Code (Imperial)=1210, ComponentLink1Description=https://datasheet.ciiva.com/22705/652158-22705488.pdf?src-supplier=Element14, ComponentLink1URL=https://datasheet.ciiva.com/22705/652158-22705488.pdf?src-supplier=Element14, ComponentLink2Description=https://datasheet.ciiva.com/28608/1918694-28608774.pdf?src-supplier=Element14, ComponentLink2URL=https://datasheet.ciiva.com/28608/1918694-28608774.pdf?src-supplier=Element14, Contact Plating=Tin,Matte, Depth=2.5mm, Dissipation Factor=10%, Height=2.5mm, Lead Free="Lead Free", Length=3.2mm, Mount="Surface Mount,PCB", Number of Pins=2, Packaging="Tape and Reel", Pricing 1="1=1.16000, 10=0.88500, 50=0.73500, 100=0.63300, 500=0.49006 (USD)", Radiation Hardening=No, REACH SVHC="No SVHC", RoHS=Yes, Stock 1=225249, Supplier 1=Digi-Key, Termination=SMD/SMT, Thickness=0.11inch, Voltage Rating=16V, Voltage Rating (DC)=16V, Width=0.098inch